# Allegro board LAY-31407_C2.brd (continued)
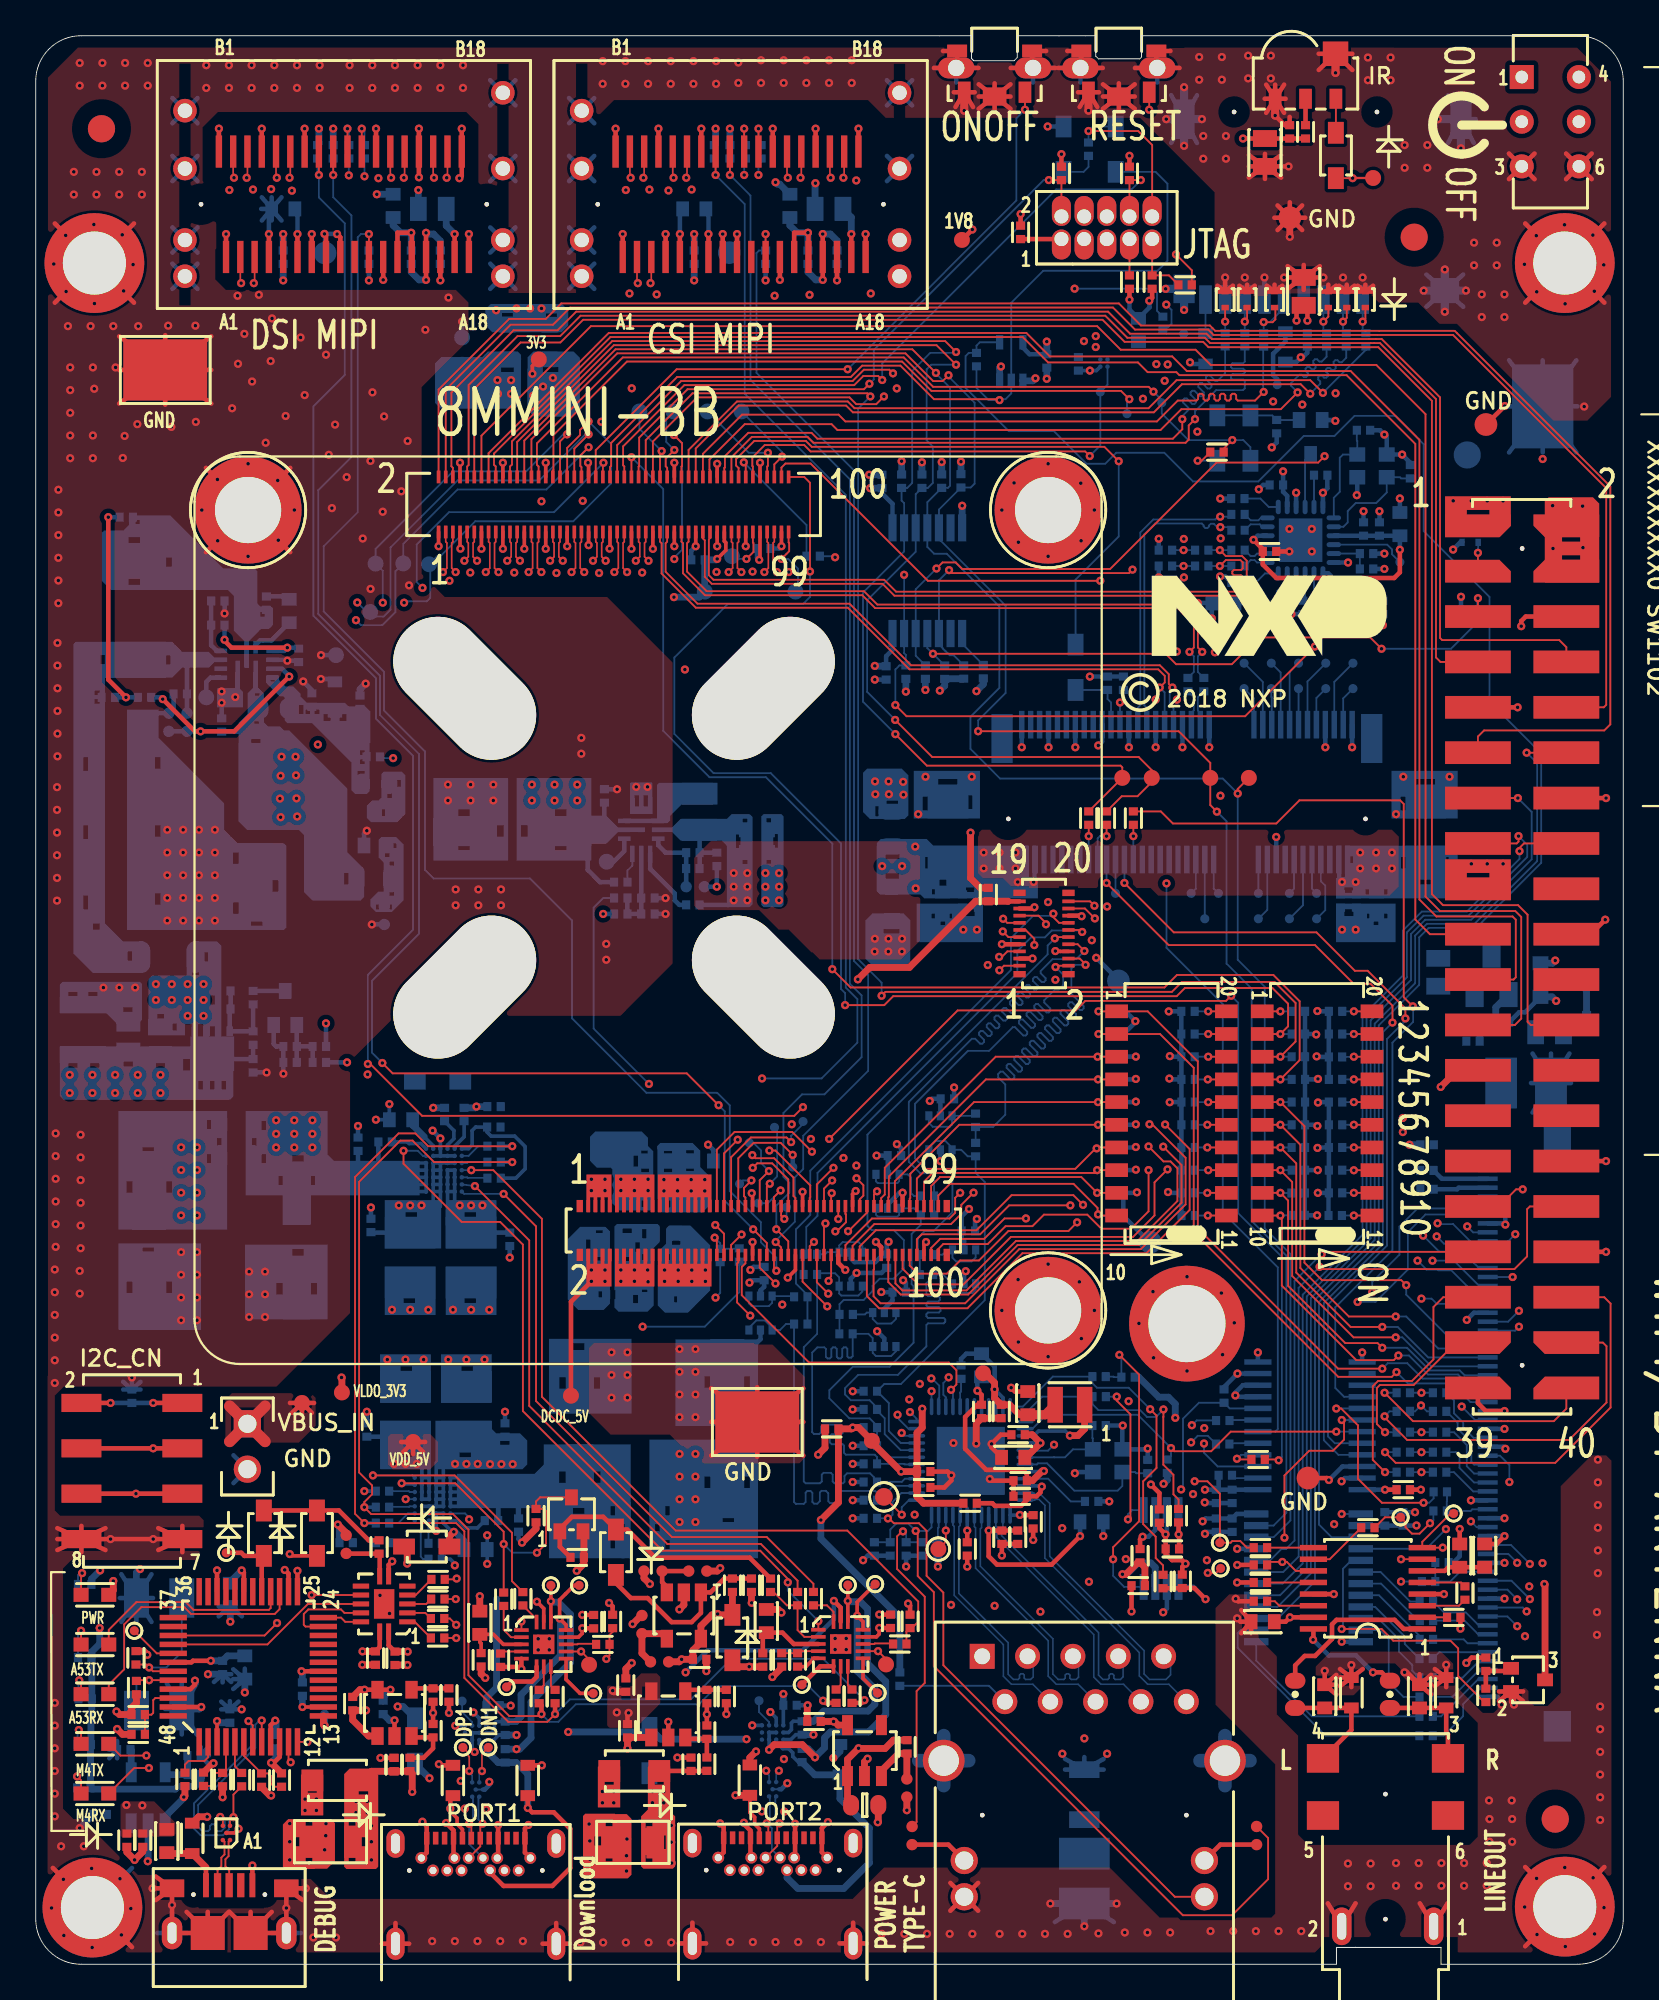
[diagram p0: board, top side]
## Copper pours and planes (outline as drawn; the poured copper is in the pictures) (continued)
VBUS_USB_DBG on TOP: 4.93,9.12 6.63,9.12 7.82,7.92 7.82,7.29 7.67,7.14 4.8,7.14 4.75,7.19 4.75,8.94
VBUS_USB_DBG on BOTTOM: 4.14,9.45 6.02,9.45 6.22,9.25 6.22,8.76 6.05,8.59 5.71,8.59 5.66,8.53 5.66,7.34 5.56,7.24 4.47,7.24 3.76,7.95 3.76,9.07
VBUS_USB_DBG on L4_POWER_1: 4.32,17.5 9.96,17.5 10.74,16.71 10.74,7.72 10.19,7.16 5.13,7.16 4.11,8.18 4.11,17.3
VCC_3V3_FT on L4_POWER_1: 16.13,22.76 18.72,20.17 18.72,16.99 15.67,13.94 15.67,13.08 12.73,10.13 11.3,10.13 11.05,10.39 11.05,16.99 10.24,17.81 3.56,17.81 3.3,18.06 3.3,22.48 3.58,22.76
VDD_1V8 on TOP (solid shape): 35.04,39.21 35.24,39.21 35.24,40.05 35.44,40.05 35.44,39.21 35.64,39.21 35.64,40.05 35.84,40.05 35.84,39.21 36.04,39.21 36.04,40.05 36.24,40.05 36.24,39.21 36.44,39.21 36.44,40.05 36.64,40.05 36.64,39.21 36.84,39.21 36.84,40.05 37.04,40.05 37.04,39.21 37.24,39.21 37.24,40.05 37.44,40.05 37.44,39.21 37.64,39.21 37.64,40.05 37.84,40.05 37.84,37.94 34.84,37.94 34.84,40.05 35.04,40.05
VDD_1V8 on BOTTOM (solid shape): 37.77,40.24 37.77,37.72 36.52,36.47 35.23,36.47 34.83,36.87 34.83,37.06 35.92,37.06 35.92,37.39 35.74,37.39 35.74,37.06 34.83,37.06 34.83,39.17 34.9,39.24 34.9,39.42 35.51,39.42 35.51,39.75 35.33,39.75 35.33,39.42 34.9,39.42 34.9,39.94 35.3,40.33 35.3,40.5 35.63,40.5 35.63,40.27 36.09,40.27 36.09,40.5 36.01,40.5 36.01,40.53 35.68,40.53 35.68,40.5 35.3,40.5 35.3,41.18 35.46,41.35 36.66,41.35
VDD_1V8 on L4_POWER_1: 2.54,67.28 2.54,82.87 12.55,92.89 12.55,97.69 13.33,98.46 13.42,98.46 13.87,98.92 13.87,102.53 14.54,103.2 79.34,103.2 82.3,100.24 82.3,93.66 87.32,88.65 87.32,67.77 86.06,66.51 86.06,30.57 79.64,24.15 42.23,24.15 42.23,33.68 40.95,34.96 33.23,34.96 32.63,35.56 32.63,66.07 31.85,66.84 31.79,66.84 31.79,66.83 9.88,66.83 9.88,66.84 2.99,66.84 ; 1 cut-out
VDD_3V3 on TOP (solid shape): 37.84,42.1 37.64,42.1 37.64,42.93 37.44,42.93 37.44,42.1 37.24,42.1 37.24,42.93 37.04,42.93 37.04,42.1 36.84,42.1 36.84,42.93 36.64,42.93 36.64,42.1 36.44,42.1 36.44,42.93 36.24,42.93 36.24,42.1 36.04,42.1 36.04,42.93 35.84,42.93 35.84,42.1 35.64,42.1 35.64,42.93 35.44,42.93 35.44,42.1 35.24,42.1 35.24,42.93 35.04,42.93 35.04,42.1 34.84,42.1 34.84,44.2 37.84,44.2
VDD_3V3 on BOTTOM (solid shape): 27.18,90.09 27.18,87.43 26.82,87.07 22.68,87.07 22.36,87.39 22.36,89.13 26.77,89.13 26.77,89.38 26.06,89.38 26.06,89.13 22.36,89.13 22.36,89.61 22.72,89.96 25,89.96 25.31,90.27 27,90.27
VDD_3V3 on BOTTOM (solid shape): 48.87,66.55 48.87,64.31 48.67,64.11 46.71,64.11 46.56,64.26 47.19,64.26 47.19,64.82 47.02,64.82 47.02,64.26 46.56,64.26 46.33,64.49 46.33,64.95 48.29,64.95 48.29,65.13 47.65,65.13 47.65,64.95 46.33,64.95 46.33,66.7 46.56,66.93 48.49,66.93
VDD_3V3 on BOTTOM (solid shape): 37.21,45.54 37.21,44.63 37.42,44.42 37.42,44.38 37.45,44.38 37.74,44.09 37.74,42.49 37.34,42.09 35.05,42.09 34.88,42.26 34.92,42.29 34.88,42.33 34.88,42.37 35.53,42.37 35.53,42.75 35.33,42.75 35.33,42.37 34.88,42.37 34.88,42.81 34.81,42.81 34.81,44.34 35.64,44.34 35.64,44.4 36.86,44.4 36.86,44.55 36.42,44.55 36.42,44.4 35.64,44.4 35.64,44.54 35.18,44.54 35.18,44.34 34.81,44.34 34.81,45.37 35.63,45.37 35.63,45.39 36.86,45.39 36.86,45.57 36.42,45.57 36.42,45.39 35.63,45.39 35.63,45.53 35.18,45.53 35.18,45.37 34.81,45.37 34.81,45.6 34.8,45.61 34.8,45.8 34.98,45.97 36.78,45.97
VDD_3V3 on BOTTOM: 60.05,91.33 63.32,91.33 64.17,90.48 64.17,88.16 64,88 63.32,88 63.13,88.19 63.13,88.41 62.01,89.53 60.75,89.53 60.58,89.71 59.99,89.71 59.92,89.77 59.92,91.21
VDD_3V3 on L5_POWER_2: 17.54,10.31 17.53,10.32 3.78,10.32 3.31,10.79 3.31,31.52 4.62,32.83 7.25,32.83 11.45,28.64 21.78,28.64 21.84,24.06 22.42,23.48 40.16,23.48 55.28,38.6 76.92,38.6 78.56,40.25 78.56,47.52 77.92,48.17 73.85,48.17 73.3,47.62 73.3,43.66 72.52,42.89 19.21,42.89 17.11,44.99 17.11,67.58 20.65,67.58 22.2,69.14 22.2,87.75 23.95,89.5 44.81,89.5 46.54,91.22 64.17,91.22 65.77,92.82 65.77,99.01 67.33,100.56 67.33,102.36 67.5,102.52 72.57,102.52 77.02,98.08 77.02,72.3 85.49,63.83 85.49,29.29 75.27,19.07 56.36,19.07 47.61,10.32 17.54,10.32
VDD_5V on TOP (solid shape): 87.55,81.76 87.55,77.34 84.51,77.34 84.51,78.61 86.49,78.61 86.49,78.87 85.47,78.87 85.47,78.61 84.51,78.61 84.51,79.63 86.49,79.63 86.49,79.88 85.47,79.88 85.47,79.63 84.51,79.63 84.51,81.9 84.72,82.11 87.2,82.11
VDD_5V on BOTTOM (solid shape): 22.13,28.26 22.11,28.24 22.09,28.2 22.08,28.15 22.07,28.09 22.07,28.07 22.07,27.71 19.28,27.71 19.28,28.39 21.07,28.39 21.07,28.77 20.43,28.77 20.43,28.39 19.28,28.39 19.28,30.42 22.13,30.42
VDD_5V on BOTTOM (solid shape): 25.8,40.07 22.96,40.07 22.96,41.72 24.65,41.72 24.65,42.1 24.02,42.1 24.02,41.72 22.96,41.72 22.96,42.22 22.97,42.24 22.99,42.29 23.01,42.34 23.02,42.39 23.02,42.42 23.02,42.77 25.8,42.77
VDD_5V on BOTTOM (solid shape): 11.06,48.58 10.87,48.39 1.56,48.39 1.35,48.59 1.35,48.97 10.66,48.97 10.66,49.45 10.41,49.45 10.41,48.97 10.01,48.97 10.01,49.1 10.01,49.1 10.01,49.45 9.76,49.45 9.76,48.97 9.36,48.97 9.36,49.45 9.11,49.45 9.11,48.97 1.35,48.97 1.35,50.04 8.64,50.04 8.64,50.67 8.25,50.67 8.25,50.04 1.35,50.04 1.35,50.19 7.24,50.19 7.24,50.44 6.73,50.44 6.73,50.19 3.56,50.19 3.56,50.27 5.44,50.27 5.44,50.52 4.93,50.52 4.93,50.27 3.56,50.27 3.56,50.44 3.05,50.44 3.05,50.19 2.34,50.19 2.34,50.44 1.83,50.44 1.83,50.19 1.35,50.19 1.35,51.38 11.06,51.38
VDD_5V on TOP: 32,15.54 32,13.36 32.13,13.23 33.6,13.23 34.98,14.61 34.98,16.08 34.77,16.28 33.91,16.28 33.53,15.9 33.53,15.7 33.4,15.57 32.23,15.57 32.21,15.6 32.05,15.6 ; 2 cut-outs
VDD_5V on TOP: 19.89,29.69 22.08,29.69 22.52,29.24 22.52,28.13 22.08,27.69 20,27.69 19.72,27.97 19.72,29.51
VDD_5V on L6_IN2: 12.43,100.39 70.71,100.39 86.97,84.13 86.97,78.37 84.68,76.09 49.09,76.09 43.6,81.57 35.32,81.57 33.68,79.93 22.38,79.93 21.88,79.43 21.88,78.14 23.5,76.52 23.5,71.19 27.51,67.17 27.51,41.13 34.62,34.02 35.13,34.02 47.9,21.26 47.9,17.34 41.31,10.75 21.36,10.75 1.63,30.49 1.63,65.65 8.88,72.9 8.88,96.84
VDDEXT_3V3 on BOTTOM (solid shape): 48.97,58.45 48.97,56.13 48.77,55.93 46.81,55.93 46.46,56.29 46.46,57.71 48.36,57.71 48.36,57.96 47.47,57.96 47.47,57.71 46.46,57.71 46.46,58.42 46.86,58.83 48.59,58.83
VDDEXT_3V3 on BOTTOM (solid shape): 30.47,89.93 30.47,87.12 29.98,86.62 27.92,86.62 27.52,87.02 27.52,89.13 29.26,89.13 29.26,89.41 28.4,89.41 28.4,89.13 27.52,89.13 27.52,89.32 27.55,89.29 27.55,89.95 27.86,90.27 30.12,90.27
VDDEXT_3V3 on BOTTOM (solid shape): 40.14,64.21 40.14,59.34 39.98,59.17 38.71,59.17 38.71,61.59 39.85,61.59 39.85,61.84 39.59,61.84 39.59,61.59 38.71,61.59 38.71,62.48 39.47,62.48 39.47,63.24 39.21,63.24 39.21,62.48 38.71,62.48 38.71,62.6 38.41,62.89 36.33,62.89 36.12,62.89 35.63,63.38 34.51,63.38 34.51,63.63 35.63,63.63 35.88,63.87 39.85,63.87 39.85,64.13 39.59,64.13 39.59,63.87 35.88,63.87 36.12,64.11 38.71,64.11 38.97,64.38 39.98,64.38
VDDEXT_3V3 on TOP: 49.53,57.31 49.53,62.28 48.95,62.87 37.8,62.87 36.87,61.93 36.87,59.25 37.12,59.01 40.51,59.01 41.61,57.91 42.16,57.91 43.43,56.64 43.5,56.64 43.9,56.25 48.47,56.25
VDDEXT_3V3 on L4_POWER_1: 39.22,57.19 38.72,57.69 38.72,79.83 37.75,80.81 24.08,80.81 23.79,81.1 23.79,89.4 40.56,89.4 41.29,88.67 41.29,85.37 42.21,84.44 45.29,84.44 45.3,84.43 45.3,82.24 47.51,80.03 47.51,67.05 49.76,64.8 49.76,57.05 49,56.29 43.29,56.29 42.39,57.19
DCDC_5V on TOP (solid shape): 31.04,39.21 31.24,39.21 31.24,40.05 31.44,40.05 31.44,39.21 31.64,39.21 31.64,40.05 31.84,40.05 31.84,39.21 32.04,39.21 32.04,40.05 32.24,40.05 32.24,37.94 30.84,37.94 30.84,40.05 31.04,40.05
DCDC_5V on TOP (solid shape): 32.24,42.1 32.04,42.1 32.04,42.93 31.84,42.93 31.84,42.1 31.64,42.1 31.64,42.93 31.44,42.93 31.44,42.1 31.24,42.1 31.24,42.93 31.04,42.93 31.04,42.1 30.84,42.1 30.84,44.2 32.24,44.2
DCDC_5V on BOTTOM (solid shape): 31.11,64.29 31.94,64.29 32.6,63.63 34.11,63.63 34.11,63.38 32.6,63.38 31.94,62.72 31.11,62.72 31.11,61.78 26.93,61.78 26.93,62.36 29.71,62.36 29.71,62.74 29.08,62.74 29.08,62.36 26.93,62.36 26.93,63.12 27.55,63.12 27.55,63.76 27.17,63.76 27.17,63.12 26.93,63.12 26.93,64.27 29.71,64.27 29.71,64.65 29.08,64.65 29.08,64.27 26.93,64.27 26.93,66.4 31.11,66.4
DCDC_5V on BOTTOM (solid shape): 32.16,41.02 32.16,36.98 31.8,36.63 30.38,36.63 29.79,37.21 29.79,37.34 31.72,37.34 31.72,37.67 31.52,37.67 31.52,37.34 29.79,37.34 29.79,39.4 31.75,39.4 31.75,39.6 31.34,39.6 31.34,39.4 29.79,39.4 29.79,40.03 31.07,40.03 31.07,40.56 30.82,40.56 30.82,40.03 29.79,40.03 29.79,40.59 30.13,40.93 31.75,40.93 31.75,41.08 31.37,41.08 31.37,40.93 30.13,40.93 30.48,41.28 31.9,41.28
DCDC_5V on BOTTOM (solid shape): 10.39,57.02 10.39,51.94 10.03,51.94 10.03,52.5 9.74,52.5 9.74,51.94 9.38,51.94 9.38,52.63 9.09,52.63 9.09,51.94 8.73,51.94 8.73,52.63 8.35,52.63 8.35,52 6.31,52 6.31,52.27 7.9,52.27 7.9,52.65 7.65,52.65 7.65,52.27 6.31,52.27 6.31,52.93 7.19,52.93 7.19,53.19 6.81,53.19 6.81,52.93 6.31,52.93 6.31,53.72 10.03,53.72 10.03,54.23 9.78,54.23 9.78,53.72 6.31,53.72 6.31,55.14 6.52,55.35 8.45,55.35 8.45,55.37 9.14,55.37 9.14,55.63 8.76,55.63 8.76,55.37 8.45,55.37 8.45,56.13 9.65,56.13 9.65,56.64 9.4,56.64 9.4,56.13 8.45,56.13 8.45,56.8 8.91,57.26 10.15,57.26
DCDC_5V on L3_IN1: 30.79,44.55 31.81,44.55 32.17,44.19 32.17,38.04 31.81,37.68 30.9,37.68 30.55,38.02 30.55,44.31
DCDC_5V on L4_POWER_1: 6.54,65.38 7.41,66.25 31.91,66.25 32.25,65.91 32.25,35.4 33.07,34.58 40.79,34.58 41.85,33.53 41.85,24 41.84,24 41.84,23.84 41.85,23.84 41.85,11.93 40.03,10.11 29.16,10.11 28.73,10.54 28.73,28.98 28.5,29.21 7.57,29.21 6.54,30.24
ENET_AVDDL_1V1 on L3_IN1: 52.76,27.89 56.62,27.89 57,27.51 57,26.14 55.3,24.44 54.97,24.44 54.09,23.55 51.9,23.55 51.34,24.11 51.34,25.3 51.59,25.54 51.59,26.72
USB1_OTG_VBUS on TOP (solid shape): 19.18,10.59 19.18,5.46 19.05,5.33 17.4,5.33 17.27,5.46 17.27,5.71 17.91,5.71 17.91,6.1 17.53,6.1 17.53,5.71 17.27,5.71 17.27,6.6 18.54,6.6 18.54,7.11 18.16,7.11 18.16,6.6 17.27,6.6 17.27,7.62 17.91,7.62 17.91,8 17.53,8 17.53,7.62 17.27,7.62 17.27,9.5 18.62,9.5 18.62,9.88 18.08,9.88 18.08,9.5 17.27,9.5 17.27,10.64 17.58,10.95 18.82,10.95
USB1_OTG_VBUS on L5_POWER_2: 17.64,4.47 17.64,9.94 31.4,9.94 31.4,4.47 ; 1 cut-out
USB1_OTG_VBUS_F on TOP (solid shape): 16.76,7.89 16.76,5.79 16.32,5.35 15.64,5.35 15.62,5.33 13.97,5.33 13.84,5.46 13.84,5.71 15.49,5.71 15.49,6.1 15.11,6.1 15.11,5.71 13.84,5.71 13.84,6.6 14.86,6.6 14.86,7.11 14.48,7.11 14.48,6.6 13.84,6.6 13.84,7.62 15.49,7.62 15.49,8 15.11,8 15.11,7.62 13.84,7.62 13.84,7.82 14.14,8.12 16.53,8.12
USB1_OTG_VBUS_F on BOTTOM (solid shape): 25.54,29.97 25.79,29.72 27.12,29.72 27.52,29.32 27.52,27.98 27.26,27.71 23.8,27.71 23.77,27.72 23.7,27.72 23.66,27.71 22.38,27.71 22.38,28.39 24.37,28.39 24.37,28.77 23.74,28.77 23.74,28.39 22.38,28.39 22.38,29.08 26.53,29.08 26.53,29.3 26.01,29.3 26.01,29.08 22.38,29.08 22.38,30.42 25.54,30.42
USB1_OTG_VBUS_F on L4_POWER_1: 13.03,5.63 12.81,5.84 12.81,9.86 16.43,13.47 16.43,14.22 19.13,16.92 19.13,20.37 16.43,23.06 16.43,28.41 16.84,28.82 28.19,28.82 28.33,28.67 28.33,17.15 28.31,17.13 28.31,10.84 27.62,10.15 18.46,10.15 17.28,8.97 17.28,5.77 17.14,5.63
USB1_VBUS_IN on BOTTOM (solid shape): 33.32,22.72 28.74,22.72 28.74,23.28 32.45,23.28 32.45,23.79 32.19,23.79 32.19,23.28 28.74,23.28 28.74,24.17 32.98,24.17 32.98,24.68 32.73,24.68 32.73,24.17 28.74,24.17 28.74,25.14 32.45,25.14 32.45,25.65 32.19,25.65 32.19,25.14 28.74,25.14 28.74,25.16 28.69,25.21 30.72,25.21 30.72,25.59 30.09,25.59 30.09,25.21 28.69,25.21 28.37,25.53 27.18,25.53 27.18,24.8 26.88,24.8 26.88,25.53 26.04,25.53 26.04,24.66 25.77,24.66 25.77,25.53 23.58,25.53 23.58,26.95 29.69,26.95 29.69,26.95 31.62,26.95 31.62,27.59 31.24,27.59 31.24,26.95 29.69,26.95 29.69,27.58 29.31,27.58 29.31,26.95 23.58,26.95 23.58,27.45 27.93,27.45 28.45,27.97 28.45,29.1 33.32,29.1
USB2_OTG_VBUS on TOP (solid shape): 35.53,8.55 35.8,8.27 35.8,5.48 35.68,5.35 34.03,5.35 33.9,5.48 33.9,5.73 34.53,5.73 34.53,6.12 34.15,6.12 34.15,5.73 33.9,5.73 33.9,6.45 35.28,6.45 35.28,7.21 34.77,7.21 34.77,6.45 33.9,6.45 33.9,7.64 34.53,7.64 34.53,8.02 34.15,8.02 34.15,7.64 33.9,7.64 33.9,8.27 34.28,8.66 34.28,10.05 35.17,10.05 35.17,10.31 34.66,10.31 34.66,10.05 34.28,10.05 34.28,11.07 35.53,11.07
USB2_OTG_VBUS on L5_POWER_2: 31.78,4.47 31.78,9.94 47.5,9.94 47.5,4.47 ; 1 cut-out
USB2_OTG_VBUS_F on TOP (solid shape): 32.45,8.4 33.09,8.4 33.36,8.14 33.36,5.02 33.15,4.81 30.78,4.81 30.65,4.94 30.65,5.76 32.3,5.76 32.3,6.14 31.92,6.14 31.92,5.76 30.65,5.76 30.65,6.65 31.66,6.65 31.66,7.16 31.28,7.16 31.28,6.65 30.65,6.65 30.65,7.66 32.3,7.66 32.3,8.05 31.92,8.05 31.92,7.66 30.65,7.66 30.65,8.3 30.78,8.43 32.43,8.43
USB2_OTG_VBUS_F on BOTTOM (solid shape): 21.32,42.77 21.39,42.77 21.42,42.77 22.7,42.77 22.7,40.07 19.55,40.07 19.55,41.72 21.35,41.72 21.35,42.1 20.71,42.1 20.71,41.72 19.55,41.72 19.55,42.77 21.28,42.77
USB2_OTG_VBUS_F on BOTTOM: 33.64,6.32 33.64,3.82 32.33,2.51 14.85,2.51 11.25,6.11 11.25,9.9 12.93,11.58 12.93,17.24 11.83,18.34 11.83,26.09 13,27.26 13,32.13 12.52,32.62 12.52,33.97 14,35.45 16.25,35.45 17.01,36.21 17.01,40.43 17.83,41.25 19.17,41.25 19.91,41.98 22.19,41.98 22.38,41.79 22.38,40.09 22.3,40.01 19.75,40.01 18.97,39.23 18.97,35.79 15.88,32.69 15.88,22.33 18.24,19.96 18.24,18.44 19.76,16.92 19.76,6.68 21.69,4.75 29.31,4.75 30.08,5.51 30.08,7.97 30.12,8.01 30.12,10.26 31.5,11.63 34.75,11.63 35.26,11.13 35.26,7.94
USB2_VBUS on L6_IN2: 35.59,80.89 42.77,80.89 44,79.66 44,75.36 43.85,75.21 38.61,75.21 37.84,74.43 37.84,72.51 36.89,71.56 35.31,71.56 34.49,72.39 34.49,79.79
USB2_VBUS_IN on BOTTOM (solid shape): 16.35,45.32 16.7,44.97 16.79,44.97 21.5,44.97 21.5,43.04 11.76,43.04 11.76,43.62 15.63,43.62 15.63,44.13 15.38,44.13 15.38,43.62 13.86,43.62 13.86,44.13 13.6,44.13 13.6,43.62 11.76,43.62 11.76,44.84 12.89,44.84 12.89,44.89 15,44.89 15,45.27 14.36,45.27 14.36,44.89 12.89,44.89 12.89,45.35 12.64,45.35 12.64,44.84 11.76,44.84 11.76,45.81 12.36,45.81 12.36,46.31 12.1,46.31 12.1,45.81 11.76,45.81 11.76,46.69 12.89,46.69 12.89,47.2 12.64,47.2 12.64,46.69 11.76,46.69 11.76,47.76 16.35,47.76
VEXT_3V3 on TOP (solid shape): 82.6,59.56 78.92,59.56 78.92,60.71 81.41,60.71 81.41,61.09 80.14,61.09 80.14,60.71 78.92,60.71 78.92,61.85 82.6,61.85
VEXT_3V3 on TOP (solid shape): 82.6,80.52 81.97,79.88 78.92,79.88 78.92,81.03 81.41,81.03 81.41,81.41 80.14,81.41 80.14,81.03 78.92,81.03 78.92,82.17 82.6,82.17
VEXT_3V3 on BOTTOM (solid shape): 29.82,92.58 29.82,91.72 29.45,91.35 25.57,91.35 25.17,91.74 25.17,92.2 29.18,92.2 29.18,92.41 28.57,92.41 28.57,92.2 25.17,92.2 25.17,92.23 26.72,92.23 26.72,92.43 26.11,92.43 26.11,92.23 25.17,92.23 25.17,92.63 25.48,92.94 29.46,92.94
VEXT_3V3 on L4_POWER_1: 78.01,60.31 77.61,60.71 77.61,82.48 76.79,83.3 70.56,83.3 70.24,83.62 70.24,85.19 69.78,85.66 67.66,85.66 67.14,85.14 67.14,83.57 66.9,83.32 56.64,83.32 55.12,84.85 45.36,84.85 45.34,84.82 42.37,84.82 41.67,85.52 41.67,88.83 40.72,89.78 23.79,89.78 23.79,93.12 22.02,94.88 20.91,94.88 20.74,95.05 20.74,96.95 20.86,97.07 25.22,97.07 25.24,97.04 34.13,97.04 35.13,96.05 37.54,96.05 38.69,97.19 43.23,97.19 43.5,96.92 43.5,96.01 43.2,95.72 40.69,95.72 40.25,95.28 40.25,92.58 40.79,92.04 49.17,92.04 49.47,91.74 49.47,89.3 50.47,88.3 82.83,88.3 83.07,88.06 83.07,60.45 82.93,60.31
VLDO2_3V3 on BOTTOM: 19.61,49.96 21.89,49.96 22,49.86 22,48.9 21.69,48.59 21.69,46.74 21.46,46.51 20.8,46.51 20.6,46.71 20.6,47.04 20.62,47.07 20.62,48.13 19.99,48.77 19.74,48.77 19.61,48.9
VLDO_3V3 on BOTTOM: 21.56,21.97 38.68,21.97 39.45,21.21 39.45,19.93 36.35,16.84 34.21,16.84 30,21.06 27.33,21.06 26.93,20.65 26.93,18.99 25.94,18.01 19.48,18.01 18.67,18.82 18.67,20.09 17.52,21.24 17.52,22.55 17.53,22.56 17.53,24.74 17.09,25.18 16.75,25.18 16.31,25.62 16.31,32.84 19.43,35.97 26.62,35.97 27.91,37.26 27.91,45.82 27.1,46.63 26.21,46.63 26.19,46.61 25.81,46.61 25.73,46.69 25.73,48.39 25.35,48.77 23.32,48.77 23.14,48.95 23.14,50.24 23.27,50.37 27.13,50.37 29.21,48.29 29.21,36.8 27.08,34.67 19.43,34.67 18.14,33.38 18.14,24.49 18.47,24.16 19.1,24.16 19.38,23.88 19.38,22.99 20.93,22.99 21.23,22.68 21.23,22.3
VPCIE_3V3 on BOTTOM (solid shape): 73.12,60.86 73.31,60.86 73.31,61.34 79.12,61.34 79.12,61.98 78.87,61.98 78.87,61.34 76.71,61.34 76.71,61.98 76.45,61.98 76.45,61.34 73.31,61.34 73.31,61.64 73.77,61.64 73.77,62.02 73.59,62.02 73.59,61.64 73.31,61.64 73.31,62.61 79.63,62.61 79.63,59.66 74.21,59.66 73.7,59.66 73.32,59.66 72.81,59.66 72.81,59.89 75.69,59.89 75.69,60.17 75.46,60.17 75.46,59.89 74.7,59.89 74.7,60.17 74.47,60.17 74.47,59.89 72.81,59.89 72.81,59.97 73.76,59.97 73.76,60.27 73.28,60.27 73.28,59.97 72.81,59.97 72.81,60.45 78.11,60.45 78.11,60.83 77.47,60.83 77.47,60.45 72.81,60.45 72.81,60.81 72.87,60.81 72.87,62.61 73.12,62.61
VPCIE_3V3 on BOTTOM (solid shape): 50.27,62.61 55.62,62.61 55.62,60.86 55.81,60.86 55.81,62.61 56.06,62.61 56.06,60.81 56.12,60.81 56.12,59.66 55.71,59.66 55.33,59.66 54.82,59.66 49.76,59.66 49.54,59.88 47.28,59.88 47.27,59.89 50.37,59.89 50.37,60.02 52.55,60.02 52.55,60.27 52.1,60.27 52.1,60.02 50.37,60.02 50.37,60.17 50.19,60.17 50.19,59.89 47.27,59.89 47.09,60.07 47.09,60.26 50.99,60.26 50.99,60.9 50.61,60.9 50.61,60.26 47.09,60.26 47.09,60.76 48.34,60.76 48.34,61.06 47.6,61.06 47.6,60.76 47.09,60.76 47.09,61.34 52.48,61.34 52.48,61.64 55.34,61.64 55.34,62.02 55.16,62.02 55.16,61.64 52.48,61.64 52.48,61.98 52.22,61.98 52.22,61.34 50.06,61.34 50.06,61.98 49.81,61.98 49.81,61.34 47.09,61.34 47.09,61.87 48.36,61.87 48.36,62.13 47.6,62.13 47.6,61.87 47.09,61.87 47.09,62.61 47.1,62.62 47.1,62.78 47.32,62.99 49.89,62.99
VPCIE_3V3 on L3_IN1 (solid shape): 56.16,62.03 56.16,60.12 56.01,59.97 47.8,59.97 46.81,60.96 46.81,62.53 47.12,62.84 55.35,62.84
VPCIE_3V3 on TOP: 62.86,59.82 75.82,59.82 76.33,60.33 76.33,63.12 75.95,63.5 52.97,63.5 52.61,63.14 52.61,61.23 53.05,60.79 54.17,60.79 54.72,60.24 62.43,60.24
VSD_3V3 on BOTTOM: 57.45,91.36 57.65,91.55 59.4,91.55 59.41,91.54 59.44,91.54 59.74,91.24 59.74,89.74 59.72,89.71 57.71,89.71 57.45,89.97
VSD_3V3 on BOTTOM: 70.51,94.08 71.36,94.08 71.47,93.97 71.47,91.12 71.36,91.01 69.47,91.01 69.35,91.12 69.35,91.68 69.8,92.12 70.22,92.12 70.48,92.38 70.48,94.05
VSD_3V3 on L3_IN1: 65.71,92.42 71.59,92.42 71.94,92.07 71.94,88.43 71.23,87.72 58.94,87.72 58.37,88.29 58.37,91.16 59.01,91.8 65.09,91.8
N103620608 on BOTTOM (solid shape): 8.2,73.46 9.69,73.46 10.01,73.14 10.55,73.14 10.55,72.89 10.01,72.89 9.69,72.57 8.2,72.57 7.64,72.01 3.87,72.01 3.87,58.27 4.89,57.25 5.99,57.25 6.4,56.85 6.4,55.96 5.93,55.49 3.18,55.49 2.49,56.18 5.41,56.18 5.41,56.69 5.16,56.69 5.16,56.18 2.49,56.18 2.11,56.57 2.11,57.91 3.58,57.91 3.58,58.29 3.2,58.29 3.2,57.91 2.11,57.91 2.11,59.05 3.05,59.05 3.05,59.82 2.67,59.82 2.67,59.05 2.11,59.05 2.11,62.99 3.05,62.99 3.05,63.75 2.67,63.75 2.67,62.99 2.11,62.99 2.11,66.8 3.05,66.8 3.05,67.56 2.67,67.56 2.67,66.8 2.11,66.8 2.11,70.56 3.58,70.56 3.58,70.82 3.3,70.82 3.3,70.56 2.11,70.56 2.11,71.04 3.58,71.04 3.58,71.3 3.3,71.3 3.3,71.04 2.11,71.04 2.11,72.76 7.54,72.76 7.54,73.26 7.28,73.26 7.28,72.76 2.11,72.76 2.11,72.77 3.89,72.77 3.89,73.28 3.64,73.28 3.64,72.77 2.11,72.77 2.11,73.89 2.24,74.02 7.64,74.02
N103620610 on BOTTOM (solid shape): 13.62,71.89 13.98,71.53 14.43,71.53 14.83,71.12 14.83,70.97 15.19,70.61 17.32,70.61 17.53,70.41 18.46,70.41 18.74,70.12 18.74,68.37 18.69,68.33 18.69,65.66 18.54,65.51 17.88,65.51 17.68,65.71 17.68,66.55 18.41,66.55 18.41,66.8 18.03,66.8 18.03,66.55 17.68,66.55 17.68,67.18 18.41,67.18 18.41,67.44 18.16,67.44 18.16,67.18 17.68,67.18 17.68,67.26 17.25,67.69 18.41,67.69 18.41,67.94 18.16,67.94 18.16,67.69 17.25,67.69 15.47,69.47 14.1,69.47 13.97,69.6 17.4,69.6 17.4,69.98 17.02,69.98 17.02,69.6 16.51,69.6 16.51,69.98 16.13,69.98 16.13,69.6 13.97,69.6 13.94,69.62 13.94,69.98 15.88,69.98 15.88,70.23 15.62,70.23 15.62,69.98 15.37,69.98 15.37,70.23 15.11,70.23 15.11,69.98 14.99,69.98 14.99,70.48 14.73,70.48 14.73,69.98 13.94,69.98 13.94,70.89 13.87,70.97 13.67,70.97 12.91,71.73 12.91,71.81 13.39,71.81 13.39,71.91 13.16,71.91 13.16,71.81 12.91,71.81 12.91,72.14 13.62,72.14
N103620792 on BOTTOM (solid shape): 10.49,78.14 12.24,78.14 12.41,77.97 12.41,76.16 12.58,75.99 12.88,75.99 12.89,75.98 13.22,75.98 13.28,75.92 13.28,74.96 13.07,74.75 12.62,74.75 11.94,74.07 11.94,72.57 11.68,72.57 11.68,74.07 11.09,74.66 11.09,75.44 12.83,75.44 12.83,75.69 12.57,75.69 12.57,75.44 11.09,75.44 11.09,76.59 10.76,76.92 4.21,76.92 3.92,77.22 5.84,77.22 5.84,77.72 5.21,77.72 5.21,77.22 3.92,77.22 3.71,77.42 3.71,78.23 7.62,78.23 7.62,78.74 7.24,78.74 7.24,78.23 3.71,78.23 3.71,79.5 5.84,79.5 5.84,79.88 5.21,79.88 5.21,79.5 3.71,79.5 3.71,80.13 3.83,80.26 4.92,80.26 5.22,80.56 5.22,80.62 5.82,80.62 5.82,80.85 5.59,80.85 5.59,80.62 5.22,80.62 5.22,81.1 7.53,81.1
N107627023 on BOTTOM (solid shape): 37.93,64.91 36.16,64.91 35.53,64.28 35.53,64.03 35.38,63.88 34.8,63.88 34.8,66.03 34.9,66.13 37.93,66.13
N107896174 on BOTTOM (solid shape): 20.7,66.55 20.7,64.39 20.24,63.93 18.77,63.93 18.54,64.16 18.54,64.26 19.56,64.26 19.56,64.64 19.3,64.64 19.3,64.26 18.54,64.26 18.54,64.85 18.85,65.15 19.2,65.15 19.33,65.28 19.94,65.28 19.94,65.66 19.69,65.66 19.69,65.28 19.33,65.28 19.35,65.3 19.35,65.91 20.45,65.91 20.45,66.29 20.07,66.29 20.07,65.91 19.35,65.91 19.35,66.62 19.48,66.75 20.5,66.75
N107897671 on BOTTOM (solid shape): 20.6,62.69 20.6,59.56 19.94,58.9 19.05,58.9 18.9,59.05 19.94,59.05 19.94,59.31 19.81,59.31 19.81,59.05 19.3,59.05 19.3,59.31 19.05,59.31 19.05,59.05 18.9,59.05 18.75,59.21 18.75,59.61 18.95,59.82 20.07,59.82 20.07,60.07 19.81,60.07 19.81,59.82 18.95,59.82 19.18,60.05 19.46,60.05 19.48,60.07 19.48,61.34 20.07,61.34 20.07,61.72 19.81,61.72 19.81,61.34 19.48,61.34 19.48,61.67 19.2,61.95 19.2,61.98 19.81,61.98 19.81,62.23 19.56,62.23 19.56,61.98 19.2,61.98 19.2,62.48 20.19,62.48 20.19,62.74 19.94,62.74 19.94,62.48 19.2,62.48 19.2,62.94 19.35,63.09 20.19,63.09
N108166855 on BOTTOM: 20.96,24.99 21.29,24.99 21.36,24.92 21.36,23.83 20.8,23.27 19.61,23.27 19.56,23.32 19.56,23.88 19.74,24.05 20.02,24.05
N108338811 on BOTTOM: 78.08,57.58 80.87,57.58 81.31,58.01 86.39,58.01 88.14,56.26 88.14,51.99 87.71,51.56 85.12,51.56 85.09,51.59 85.09,52.76 85.17,52.83 86.36,52.83 86.39,52.81 87,52.81 87.3,53.11 87.3,55.47 85.85,56.92 83.06,56.92 82.47,56.34 82.47,56.08 82.17,55.78 77.88,55.78 77.8,55.85 77.8,57.3 ; 2 cut-outs

## Text on the board
Ref Des/Silkscreen Bottom: GND | VBUS_IN | RXD4 | SERIAL | DOWNLOAD | VBUS1 | TXC | ID1 | RXC | SAI3 | ID2 | PRIMARY | POWER IN | RXD | TXFS | SDA | I2C4 | SCL | 1 | 60 | RXD2 | TXD4 | TXD2 | CLK01 | CLK02 | CLKI1 | CLKI2 | TXD | RXFS | MCLK | 3V3 | E-KEY | nCD | Q | P | M.2 CARD | AUDIO CONNECTOR
User.Comments: CR_SW_1 | CR_PS2_1
Ref Des/Silkscreen Top: A53RX | A53TX | M4TX | M4RX | PWR | VLDO_3V3 | VDD_5V | 3V3 | DCDC_5V | GND | 1V8 | DP1 | DN1 | L | R | DEBUG | Downlood | POWER | TYPE-C | LINEOUT | I2C_CN | VBUS_IN | PORT1 | PORT2 | IR | XXXXXXXXX0 SW1102 | 1000 SW1101[1-4] | 1010XXXXXX SW1101 | 1000111100 SW1102 | 0010 SW1101[1-4] | 0110000000 SW1101 | 0001101000 SW1102 | 0110110010 SW1101 | 1100 SW1101[1-4] | 0001010100 SW1102 | 0100 SW1101[1-4] | 0110110001 SW1101 | Download Mode | NAND Flash | MicroSD/SDHC2 | eMMC/SDHC3 | DSI MIPI | CSI MIPI | ONOFF | RESET | JTAG | ON | 1 | 2 | 3 | 4 | 5 | 6 | 7 | 8 | 910 | OFF | 8MMINI | 8MNANO | 8MMINI-BB | WIFI/BT ANTENNA
FABRICATION_NOTES: 23.  ANTENNA BOARD FOLLOW GERBER | 3.9 | 4.25 | 0.02 | 16 | 23 | 17 | 8
DIMENSION: GRID ORIGIN | PRIMARY DATUM | 0 | CANNOT ADD ANY PLANE ON EVERY LAYER ON THIS BOARD | VIEW FROM PRIMARY SIDE
User.12: ALL PARTS, MATERIALS AND FINISHED | ASSEMBLY SHALL NOT CONTAIN ANY OF | THE SUBSTANCES OF VERY HIGH CONCERN | (SVHC) ABOVE THE THRESHOLD VALUE PER | THE CURRENT ECHA LIST OF SVHC'S AND | WITH ANNEX XIV AND ANNEX XVII OF REACH | DIRECTIVE 76/769/EEC. A CERTIFICATE OF | COMPLIANCE IS REQUIRED UPON REQUEST. | ASSEMBLY SHALL MEET THE RoHS | COMMISSION DELEGATED DIRECTIVE (EU) | 2015/863 OF 31 MARCH  2015 AMENDING | ANNEX II TO DIRECTIVE 2011/65/EU. A | CERTIFICATE OF COMPLIANCE IS | REQUIRED UPON REQUEST. | [MM] | 8MMINI-BB | 1
User.13: Trace Width | Impedance | (Ohms) | (Mils) | Trace Spacing | "Airgap" | 3.9 | 4 | 85 | 3.50 | 5 | 90 | 7 | 100 | Single Ended | Differential
User.40: FIGURE | FINISHED_SIZE | 8.0 | 16.0 | 28.0 | 31.0 | 32.0 | 35.0 | 36.0 | 40.0 | 67.0 | 139.0 | 146.0 | 170.0 | 26.0 | 39.0 | 43.0 | 59.0 | 61.0 | 63.0 | 68.0 | 126.0 | 44.0x20.0 | 47.0x20.0 | 51.0x20.0 | 59.0x20.0 | 364.0x197.0 | ROTATION | - | 90.000 | 45.000 | 135.000 | DRILL CHART: TOP to BOTTOM | ALL UNITS ARE IN MILS | TOLERANCE_TRAVEL | +2.0/-2.0 | +3.0/-3.0 | PLATED | NON-PLATED | QTY | 1669 | 24 | 6 | 10 | 16 | 4 | 2 | 3 | 1
